# Altium PCB DM1095_R0M0E1.PcbDoc (part 1 of 3)
Units mm, origin at the board's own origin, x right, y up, seen from the top; angles counter-clockwise.
Board outline 80 x 30 mm, 4 copper layers (Top Copper, Signal Layer 1, Layer 1, Bottom Layer), stack 1.602 mm thick; 162 components, 129 nets, 587 pads, 621 vias.
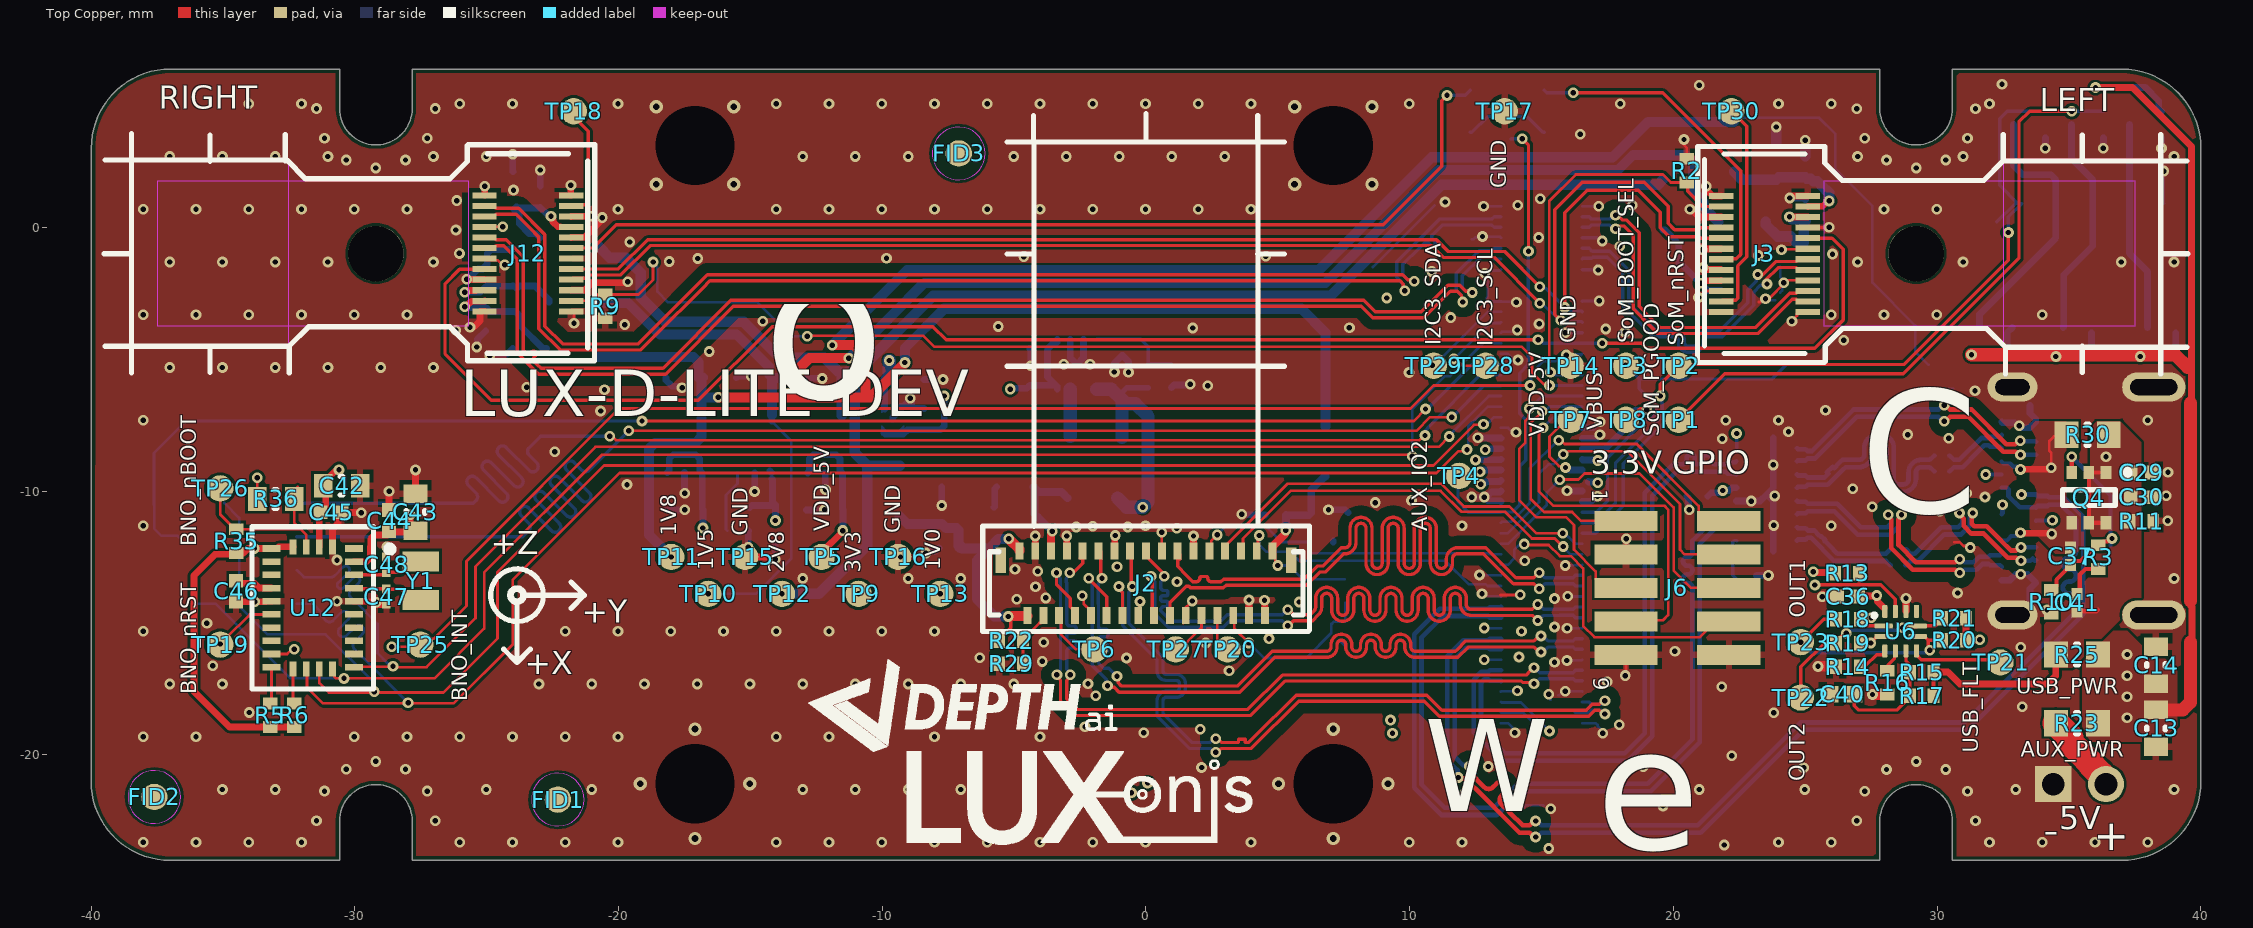
[diagram p0: Top Copper view]
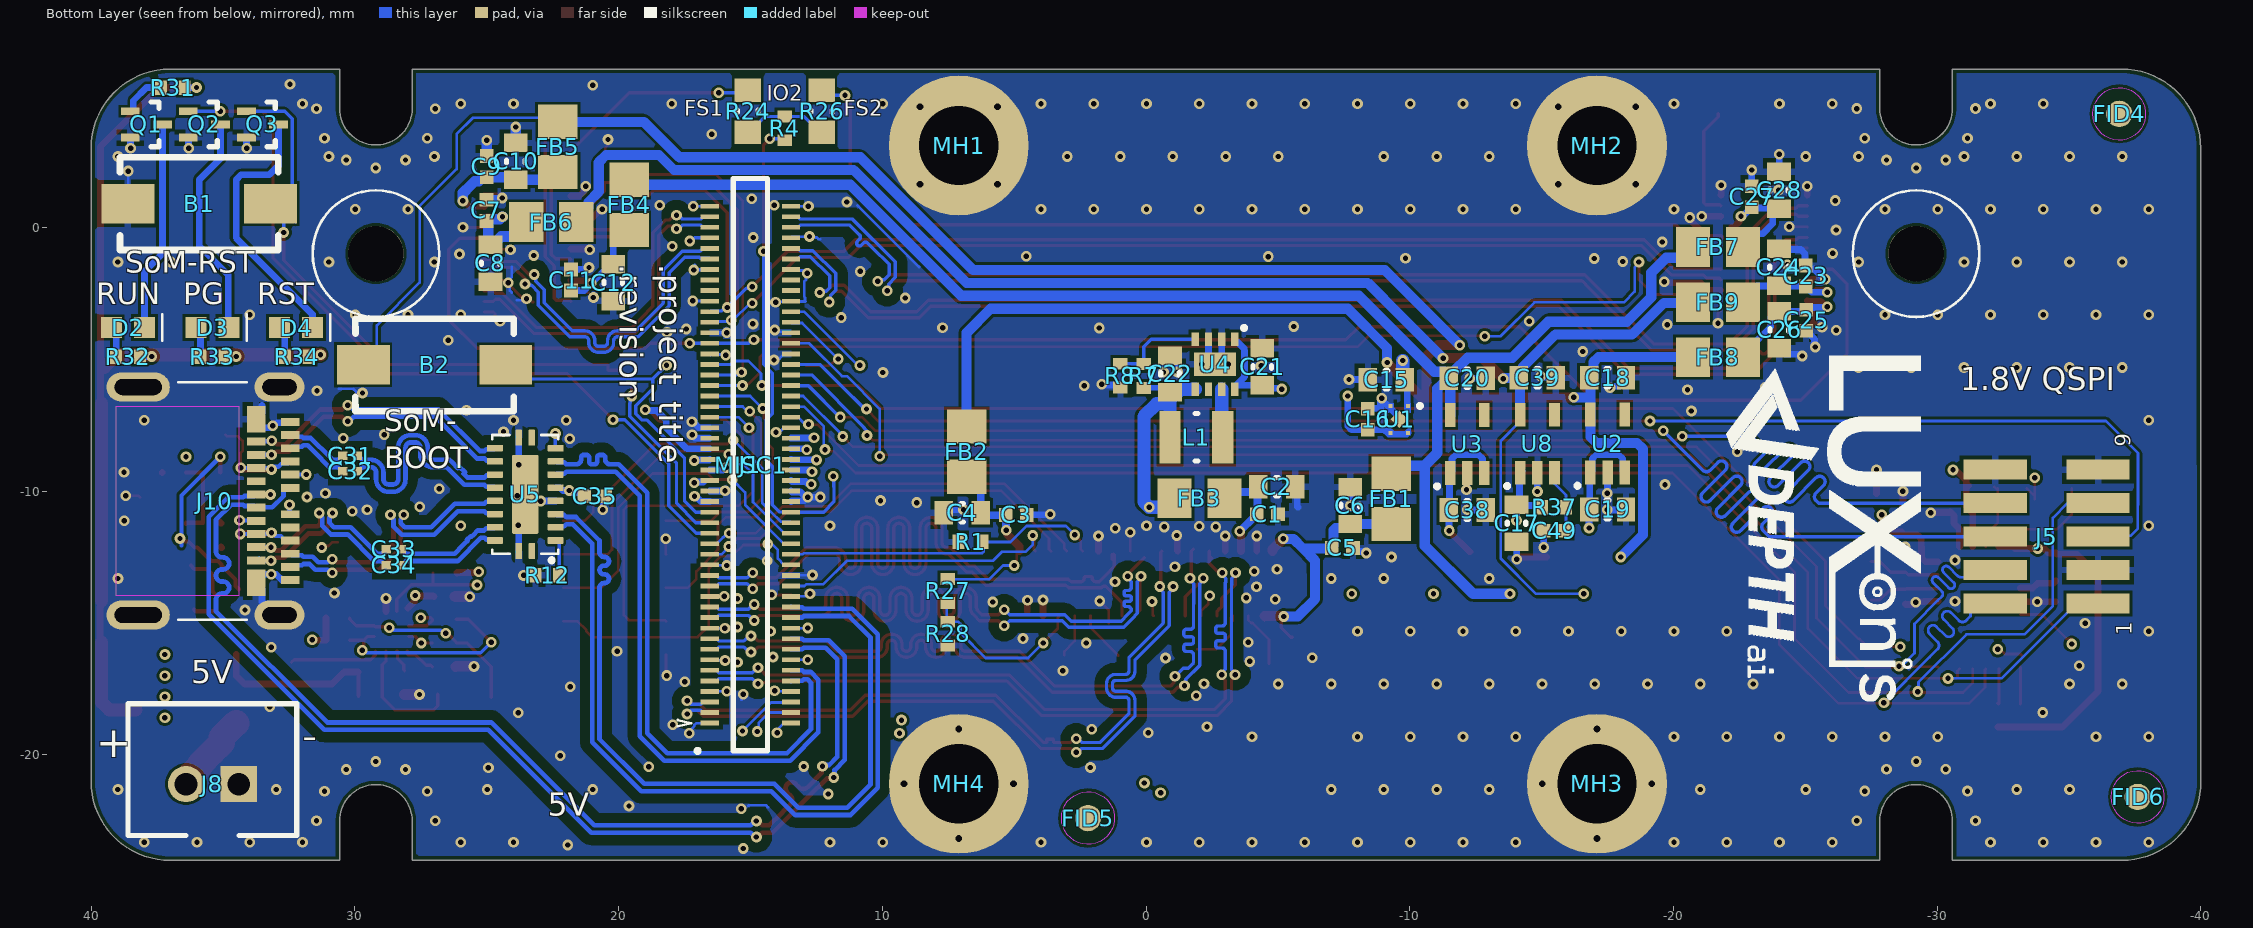
[diagram p1: Bottom Layer view, seen from below]
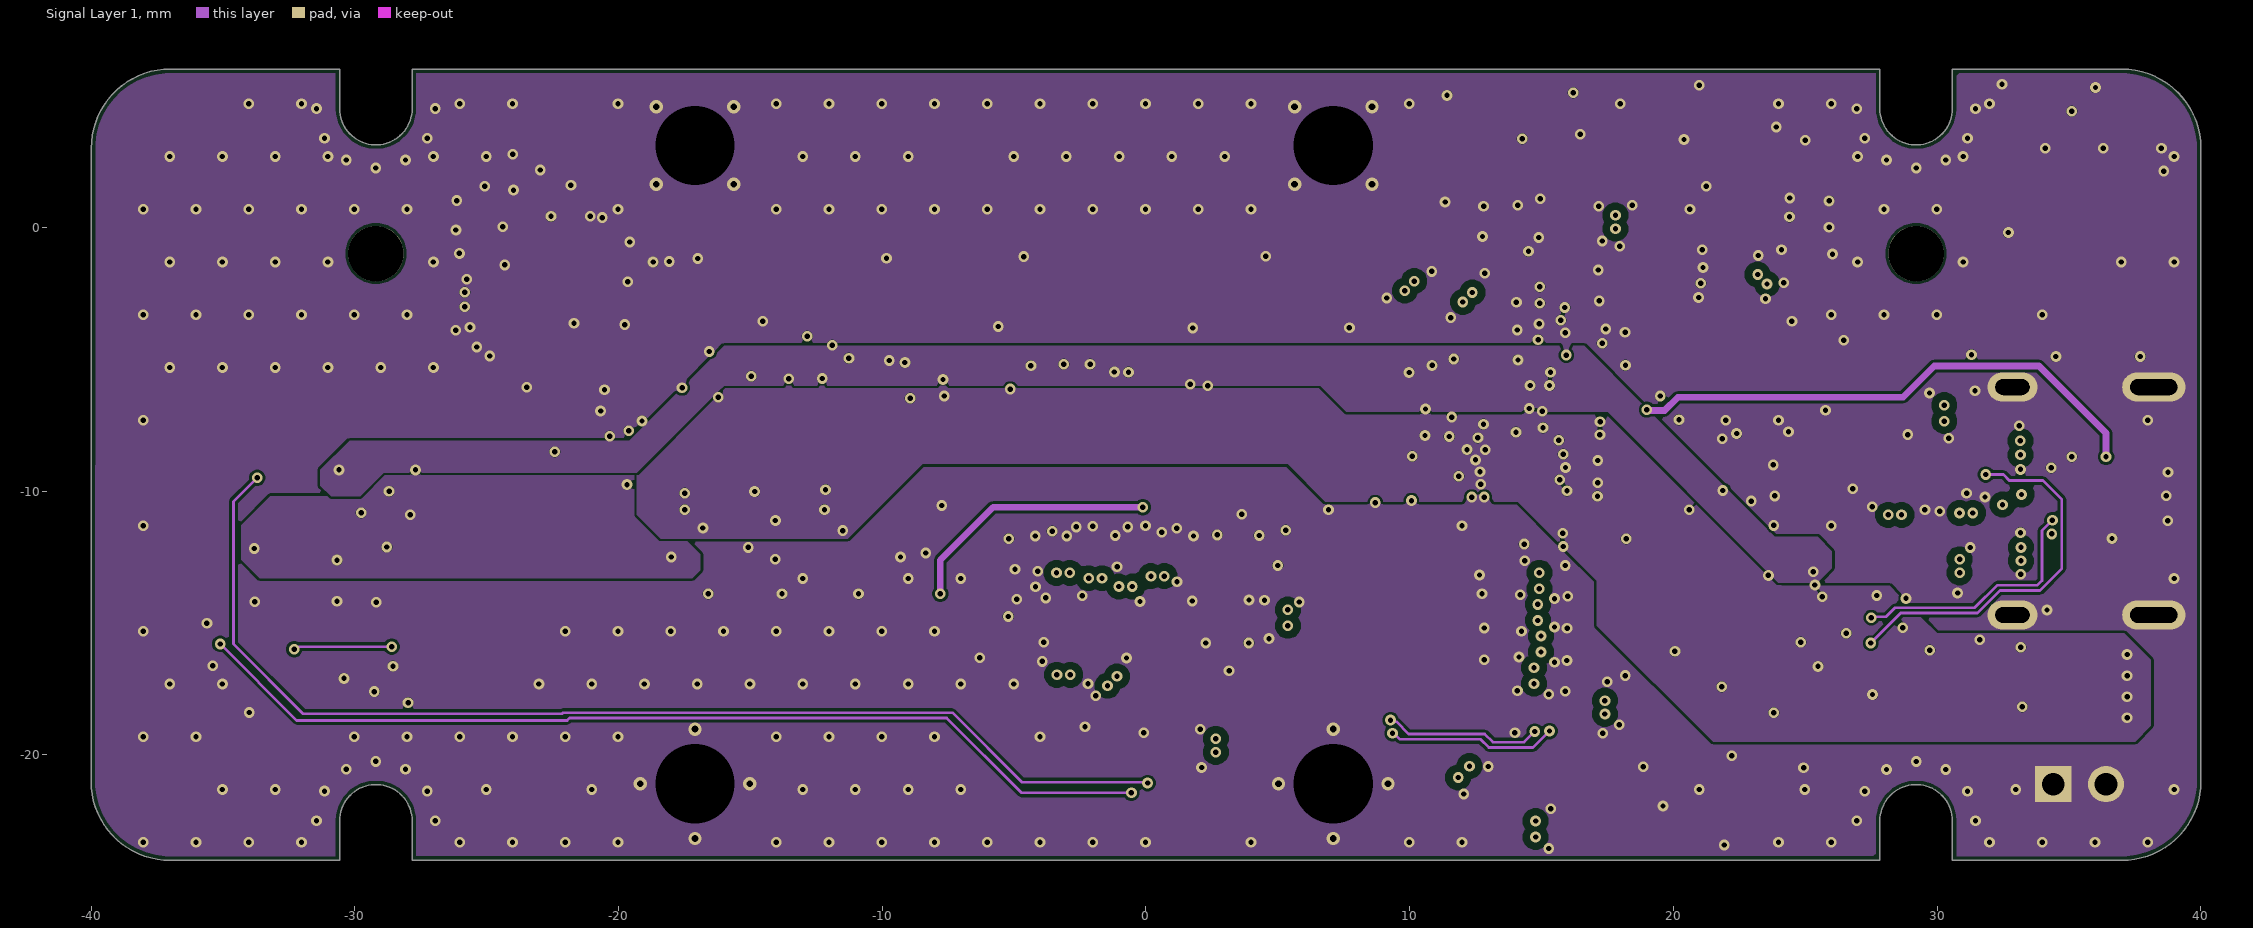
[diagram p2: Signal Layer 1]
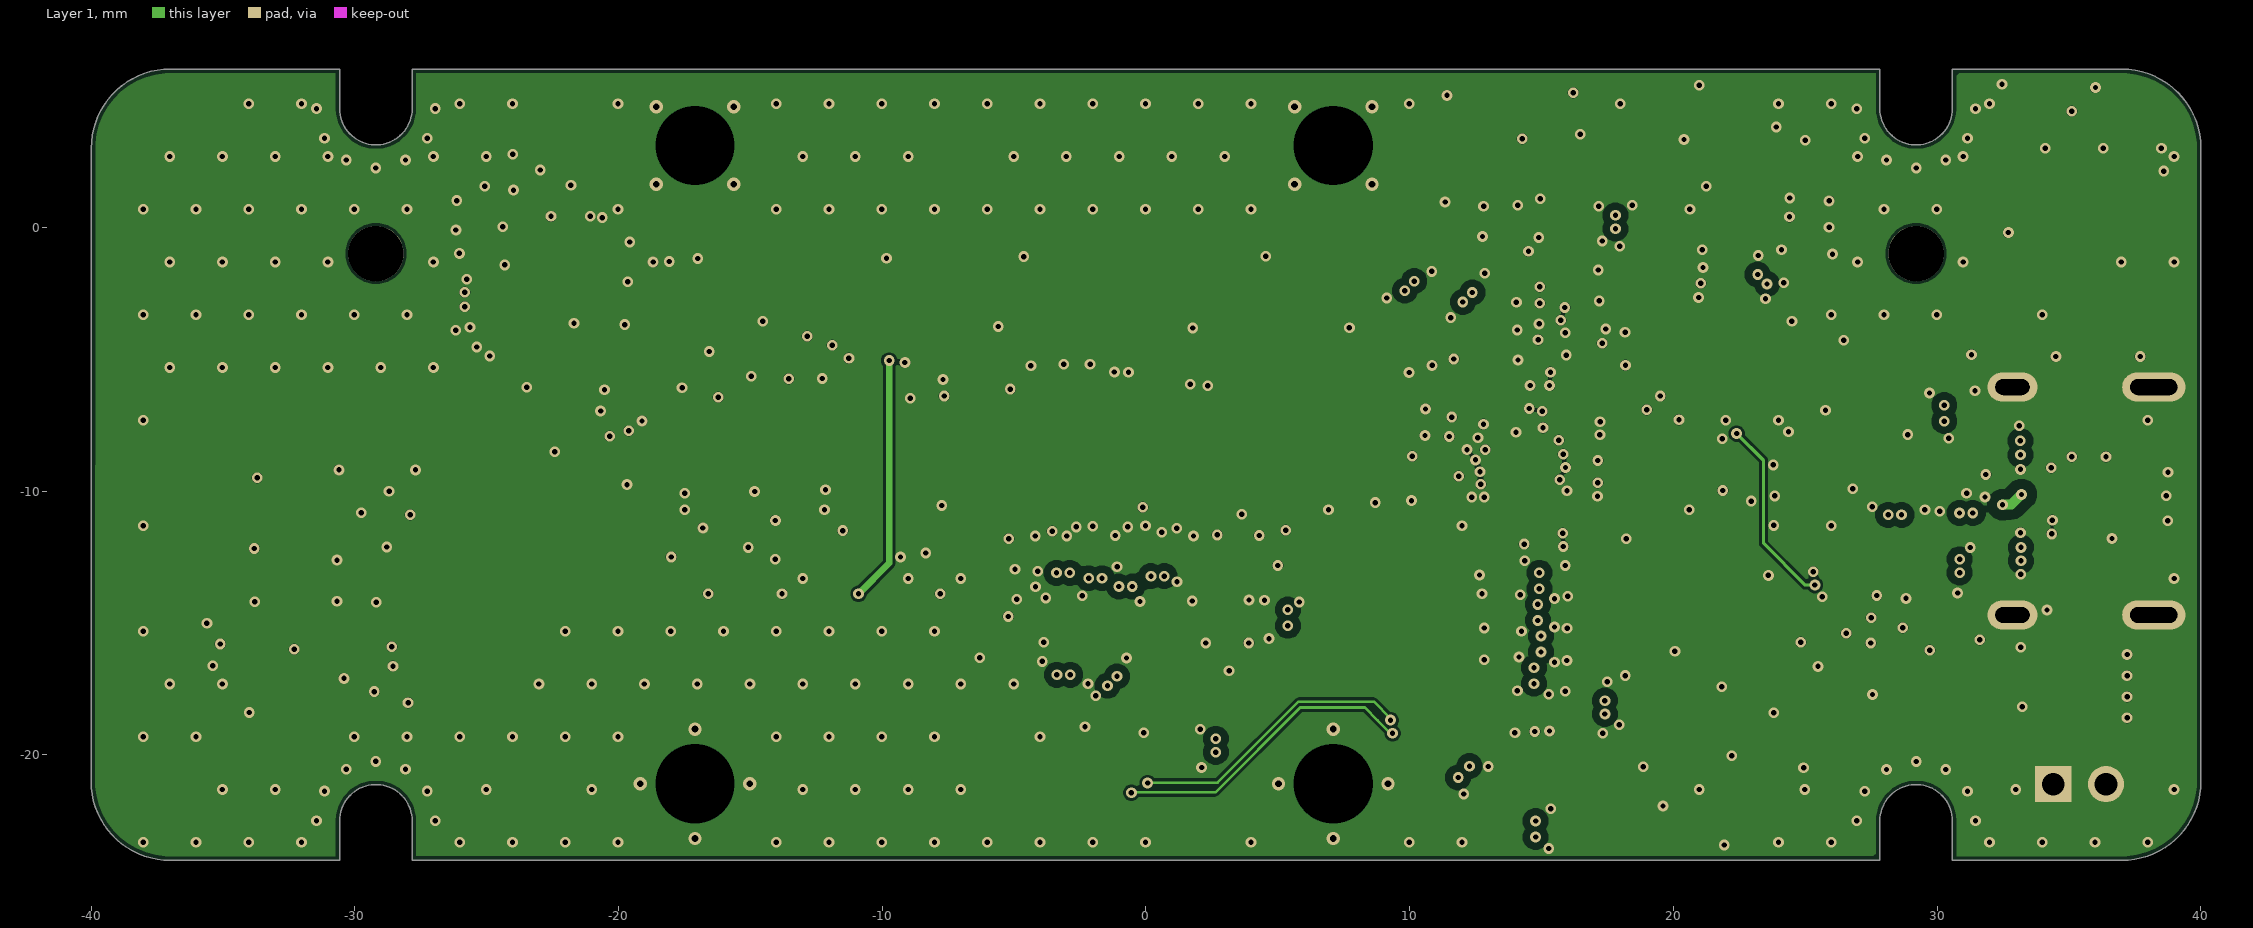
[diagram p3: Layer 1]

## Layer stack, top to bottom
Top Mask: solder mask 0.018, Solder Resist, Dk 4.2
Top Copper: signal copper 0.0356
Dielectric 1: prepreg 0.18, PP-021, Dk 4.2
Signal Layer 1: signal copper 0.0356
Core: core 1.1, Core-042, Dk 4.2
Layer 1: signal copper 0.0356
Dielectric 2: prepreg 0.18, PP-021, Dk 4.2
Bottom Layer: signal copper 0.0356
Bottom Solder: solder mask 0.018, Solder Resist, Dk 4.2

## Board outline
-30.575,-24.002 -30.575,-22.502 cw(c-29.2,-22.502) -27.825,-22.502 -27.825,-23.999 27.825,-24 27.825,-22.505 cw(c29.2,-22.505) 30.575,-22.505 30.575,-24.005 37,-24.005 ccw(c37.001,-21.005) 40,-21.006 40,3 ccw(c36.996,2.995) 36.991,5.999 30.575,6 30.575,4.499 cw(c29.2,4.499) 27.825,4.499 27.825,6 -27.825,6 -27.825,4.5 cw(c-29.2,4.5) -30.575,4.5 -30.575,6 -36.991,6 ccw(c-36.992,3.001) -39.991,3.001 -40,-21.003 ccw(c-37,-21.003) -37,-24.003

## Design rules (kind name [scope] priority, off if disabled: settings)
AssemblyTestPointUsage [All] p1: valid=2
AssemblyTestpoint [(IsPad And (OnTopLayer Or OnBottomLayer)) Or (IsVia) Or (IsPad And OnMultiLayer)] p1: testpointundercomponent=FALSE minsize=0.381 maxsize=2.54 preferedsize=1.524 minholesize=0 maxholesize=2.54 preferedholesize=0.813 testpointgrid=0.025 usegrid=FALSE gridtolerance=0 allowsidebottom=TRUE
BoardOutlineClearance [not InPolygonClass('ToEdge')] p1: gap=0.15 ignorepadtopadclearanceinfootprint=FALSE
Clearance DIFF_PAIR_GND [InPolygon vs InAnyDifferentialPair] p1: gap=0.381 ignorepadtopadclearanceinfootprint=FALSE
Clearance [All] p2: gap=0.1 ignorepadtopadclearanceinfootprint=TRUE
ComponentClearance [HasFootprint('FIDUCIAL_ROUND_1MM') or HasFootprint('TP100_200_NS') vs HasFootprint('FIDUCIAL_ROUND_1MM') or HasFootprint('TP100_200_NS')] p1: gap=-0.003 collisioncheckmode=3 verticalgap=2540 showdistances=FALSE
DiffPairsRouting 90ohm [InDifferentialPairClass('USB3')] p1: maxlimit=0.254 minlimit=0.102 mostfreqgap=0.254 toplayer_maxgap=0.102 toplayer_prefgap=0.102 toplayer_minwidth=0.178 toplayer_maxwidth=0.178 toplayer_prefwidth=0.178 bottomlayer_maxgap=0.102 bottomlayer_prefgap=0.102 bottomlayer_minwidth=0.178 bottomlayer_maxwidth=0.178 bottomlayer_prefwidth=0.178 impedanceprofiledriven=TRUE impedanceprofileid={88523433-C968-46F5-BAB2-5A945F0074AC} impedanceprofilevalue=90.000000 maxuncoupledlength=12.7
DiffPairsRouting 100ohm [InDifferentialPairClass('100ohm')] p2: maxlimit=0.254 minlimit=0.102 mostfreqgap=0.254 toplayer_maxgap=0.102 toplayer_prefgap=0.102 toplayer_minwidth=0.127 toplayer_maxwidth=0.127 toplayer_prefwidth=0.127 bottomlayer_maxgap=0.102 bottomlayer_prefgap=0.102 bottomlayer_minwidth=0.127 bottomlayer_maxwidth=0.127 bottomlayer_prefwidth=0.127 impedanceprofiledriven=TRUE impedanceprofileid={23EE4AC3-2669-4576-8364-9EC6BF9A4921} impedanceprofilevalue=100.000000 maxuncoupledlength=12.7
FabricationTestPointUsage [All] p1: valid=2 allowmultiple=TRUE
FabricationTestpoint [(IsPad And (OnTopLayer Or OnBottomLayer)) Or (IsVia) Or (IsPad And OnMultiLayer)] p1: side=3 testpointundercomponent=TRUE minsize=0.508 maxsize=2.54 preferedsize=1.524 minholesize=0 maxholesize=1.016 preferedholesize=0.813 testpointgrid=0.025 allowsidetop=TRUE allowsidebottom=TRUE usegrid=FALSE gridtolerance=0
HoleSize [All] p1: absolutevalues=TRUE maxlimit=25.4 minlimit=0.203 maxpercent=80.000 minpercent=20.000
HoleToHoleClearance [All] p1: gap=0.254 allowstackedmicrovias=FALSE
MatchedLengths QSPI_HDR [InxSignalClass('QSPI_Header')] p1: tolerance=25.4 checknetsindiffpair=FALSE checkdiffpairvsdiffpair=TRUE checkxsignals=TRUE checkothers=TRUE usedelayunits=TRUE delaytolerance=50.000000
MatchedLengths QSPI_IMU [InxSignalClass('IMU_SPI')] p2: tolerance=25.4 checknetsindiffpair=FALSE checkdiffpairvsdiffpair=TRUE checkxsignals=TRUE checkothers=TRUE usedelayunits=TRUE delaytolerance=50.000000
MatchedLengths USB_RX [InxSignalClass('USB_RX_XSIG')] p3: tolerance=25.4 checknetsindiffpair=FALSE checkdiffpairvsdiffpair=TRUE checkxsignals=TRUE checkothers=TRUE usedelayunits=TRUE delaytolerance=1.000000
MatchedLengths USB_TX [InxSignalClass('USB_TX_XSIG')] p4: tolerance=25.4 checknetsindiffpair=FALSE checkdiffpairvsdiffpair=TRUE checkxsignals=TRUE checkothers=TRUE usedelayunits=TRUE delaytolerance=1.000000
MatchedLengths SDIO [InNetClass('SDIO')] p5: tolerance=2.54 checknetsindiffpair=FALSE checkdiffpairvsdiffpair=TRUE checkxsignals=TRUE checkothers=TRUE usedelayunits=TRUE delaytolerance=50.000000
MatchedLengths Diff_pairs_intra_matching [InDifferentialPairClass('All Differential Pairs')] p6: tolerance=0.127 checknetsindiffpair=TRUE checkdiffpairvsdiffpair=FALSE checkxsignals=FALSE checkothers=FALSE usedelayunits=TRUE delaytolerance=1.000000
MatchedLengths CAM_C [InNetClass('MIPI_CAM_C')] p7: tolerance=0.127 checknetsindiffpair=FALSE checkdiffpairvsdiffpair=TRUE checkxsignals=TRUE checkothers=TRUE usedelayunits=TRUE delaytolerance=1.000000
MatchedLengths CAM_B [InNetClass('MIPI_CAM_B')] p8: tolerance=0.127 checknetsindiffpair=FALSE checkdiffpairvsdiffpair=TRUE checkxsignals=TRUE checkothers=TRUE usedelayunits=TRUE delaytolerance=1.000000
MatchedLengths CAM_A [InNetClass('MIPI_CAM_A')] p9: tolerance=0.025 checknetsindiffpair=FALSE checkdiffpairvsdiffpair=TRUE checkxsignals=TRUE checkothers=TRUE usedelayunits=TRUE delaytolerance=1.000000
MinimumSolderMaskSliver [not (HasFootprint('DF40HC-3.0-100DS-0.4V_minpad') or HasFootprint('TPD4E02B04DQAR') or HasFootprint('105450-0101'))] p1: minsoldermaskwidth=0.076
PolygonConnect PolygonConnect_outGDN [OnLayer('Bottom Layer') or OnLayer('Top Copper') vs InNet('GND')] p1: thpad.connectstyle=Direct thpad.reliefconductorwidth=0.254 thpad.reliefentries=4 thpad.polygonreliefangle="90 Angle" thpad.airgapwidth=0.254 smdpad.connectstyle=Relief smdpad.reliefconductorwidth=0.254 smdpad.reliefentries=4 smdpad.polygonreliefangle="90 Angle" smdpad.airgapwidth=0.154 via.connectstyle=Direct via.reliefconductorwidth=0.254 via.reliefentries=4 via.polygonreliefangle="90 Angle" via.airgapwidth=0.254
PolygonConnect [All] p2: connectstyle=Direct reliefconductorwidth=0.254 reliefentries=4 polygonreliefangle="90 Angle" airgapwidth=0.254
RoutingVias RoutingVias_Diff [InDifferentialPairClass('All Differential Pairs')] p1: holewidth=0.711 width=1.27 viastyle="Through Hole" minholewidth=0.711 minwidth=1.27 maxholewidth=0.711 maxwidth=1.27 useviatemplates=TRUE viatemplateguid#1={3A999B34-F86E-49C2-BBE1-B51CF530FDDB} viatemplatename#1=v41h20m0mx0
RoutingVias [All] p2: holewidth=0.254 width=0.508 viastyle="Through Hole" minholewidth=0.203 minwidth=0.406 maxholewidth=25.4 maxwidth=25.4
SilkToSilkClearance [All] p1: silktosilkclearance=0.025
SilkToSolderMaskClearance [InPadClass('All Pads')] p1: minsilkscreentomaskgap=0 clearancetoexposedcopper=FALSE
SolderMaskExpansion [All] p1: expansion=0.102 istentingtop=FALSE
UnRoutedNet [All] p1: checkbadconnections=TRUE
Width [All] p1: maxlimit=1 minlimit=0.102 preferedwidth=0.254
18 further rules are at their usual default settings.

## Classes and differential pairs
component class U_DM1098LUXD-LITE_USB: C29 C30 C31 C32 C33 C34 C35 C36 C37 C40 C41 J10 Q4 R3 R10 R11 R12 R13 R14 R15 R16 R17 R18 R19 R20 R21 R30 TP21 TP22 TP23 U5 U6
component class U_DM1098LUXD-LITE_RIGHT_OV7251: C23 C24 C25 C26 C27 C28 FB7 FB8 FB9 J12 R9 TP18
component class U_DM1098LUXD-LITE_Power_Supply: C13 C14 C15 C16 C17 C18 C19 C20 C21 C22 C38 C39 C49 J8 L1 R7 R8 R23 R25 R37 TP7 TP8 TP9 TP10 TP11 TP12 TP13 TP14 TP15 TP16 TP17 U1 U2 U3 U4 U8
component class U_DM1098LUXD-LITE_LEFT_OV7251: C7 C8 C9 C10 C11 C12 FB4 FB5 FB6 J3 R2 R4 R24 R26 TP30
component class U_DM1098LUXD-LITE_IMX214: C1 C2 C3 C4 C5 C6 FB1 FB2 FB3 J2 R1 R22 R27 R28 R29 TP6 TP20 TP27
component class U_DM1098LUXD-LITE_IMU: C42 C43 C44 C45 C46 C47 C48 R5 R6 R35 R36 TP19 TP25 TP26 U12 Y1
component class U_DM1098LUXD-LITE_Connector: B1 B2 D2 D3 D4 J1 J5 J6 MH1 MH2 MH3 MH4 MISC1 Q1 Q2 Q3 R31 R32 R33 R34 TP1 TP2 TP3 TP4 TP5 TP28 TP29
component class DM1098LUXD-LITE_TopLevel: FID1 FID2 FID3 FID4 FID5 FID6
net class SDIO: SD_HST0_CD SD_HST0_CLK SD_HST0_CMD SD_HST0_D1 SD_HST0_D2 SD_HST0_D3 SD_HST0_D4
differential pair class USB3: RXB RXC TXB TXB1 TXC TXC1 USB_D USB_RX USB_TX
differential pair class 100ohm: MIPI_RX2_C MIPI_RX2_D0 MIPI_RX2_D1 MIPI_RX3_C MIPI_RX3_D0 MIPI_RX3_D1 MIPI_RX4_C MIPI_RX4_D0 MIPI_RX4_D1 MIPI_RX5_D0 MIPI_RX5_D1
net class Power_trace: 1V0_IMX214 1V5_L 1V5_R 1V8_IMX214 1V8_L 1V8_R 2V8_IMX214 2V8_L 2V8_R VBUS VDD_5V
net class MIPI_CAM_C: MIPI_RX3_C_N MIPI_RX3_C_P MIPI_RX3_D0_N MIPI_RX3_D0_P
net class MIPI_CAM_B: MIPI_RX2_C_N MIPI_RX2_C_P MIPI_RX2_D0_N MIPI_RX2_D0_P
net class MIPI_CAM_A: MIPI_RX4_C_N MIPI_RX4_C_P MIPI_RX4_D0_N MIPI_RX4_D0_P MIPI_RX4_D1_N MIPI_RX4_D1_P MIPI_RX5_D0_N MIPI_RX5_D0_P MIPI_RX5_D1_N MIPI_RX5_D1_P
differential pair USB_TX: +USB_TX_P -USB_TX_N
differential pair USB_RX: +USB_RX_P -USB_RX_N
differential pair USB_D: +USB_D_P -USB_D_N
differential pair TXC: +TXC_P -TXC_N
differential pair TXC1: +TXC1_P -TXC1_N
differential pair TXB: +TXB_P -TXB_N
differential pair TXB1: +TXB1_P -TXB1_N
differential pair RXC: +RXC_P -RXC_N
differential pair RXB: +RXB_P -RXB_N
differential pair MIPI_RX5_D1: +MIPI_RX5_D1_P -MIPI_RX5_D1_N
differential pair MIPI_RX5_D0: +MIPI_RX5_D0_P -MIPI_RX5_D0_N
differential pair MIPI_RX4_D1: +MIPI_RX4_D1_P -MIPI_RX4_D1_N
differential pair MIPI_RX4_D0: +MIPI_RX4_D0_P -MIPI_RX4_D0_N
differential pair MIPI_RX4_C: +MIPI_RX4_C_P -MIPI_RX4_C_N
differential pair MIPI_RX3_D1: +MIPI_RX3_D1_P -MIPI_RX3_D1_N
differential pair MIPI_RX3_D0: +MIPI_RX3_D0_P -MIPI_RX3_D0_N
differential pair MIPI_RX3_C: +MIPI_RX3_C_P -MIPI_RX3_C_N
differential pair MIPI_RX2_D1: +MIPI_RX2_D1_P -MIPI_RX2_D1_N
differential pair MIPI_RX2_D0: +MIPI_RX2_D0_P -MIPI_RX2_D0_N
differential pair MIPI_RX2_C: +MIPI_RX2_C_P -MIPI_RX2_C_N

## Components (designator, comment, footprint, x,y, rotation, side; value= is the part's Value field where it differs from the comment)
B1 "Off-Mom, 50mA" DTSM-32N-V 35.9,0.9 r180 bottom
B2 "Off-Mom, 50mA" DTSM-32N-V 26.972,-5.218 r180 bottom
C1 "0.1uF 0402" CAPC0402(1005)70_L -4.603,-10.88 r0 bottom
C2 "10uF 0603" CAPC0603(1608)100_L -4.963,-9.841 r0 bottom
C3 "0.1uF 0402" CAPC0402(1005)70_L 4.917,-10.908 r0 bottom
C4 "10uF 0603" CAPC0603(1608)100_L 6.966,-10.82 r180 bottom
C5 "0.1uF 0402" CAPC0402(1005)70_L -7.448,-12.16 r0 bottom
C6 "10uF 0603" CAPC0603(1608)100_L -7.743,-10.55 r270 bottom
C7 "0.1uF 0402" CAPC0402(1005)70_L 25.008,0.64 r270 bottom
C8 "10uF 0603" CAPC0603(1608)100_L 24.855,-1.364 r90 bottom
C9 "0.1uF 0402" CAPC0402(1005)70_L 25,2.3 r270 bottom
C10 "10uF 0603" CAPC0603(1608)100_L 23.9,2.5 r270 bottom
C11 "0.1uF 0402" CAPC0402(1005)70_L 21.8,-2 r270 bottom
C12 "10uF 0603" CAPC0603(1608)100_L 20.2,-2.1 r90 bottom
C13 "22uF 0603" CAPC0603(1608)100_L 38.3,-19 r90 top
C14 "22uF 0603" CAPC0603(1608)100_L 38.3,-16.6 r270 top
C15 "10uF 0603" CAPC0603(1608)100_L -9.114,-5.783 r180 bottom
C16 "1uF 0402" CAPC0402(1005)70_L -8.405,-7.281 r270 bottom
C17 "10uF 0603" CAPC0603(1608)100_L -14.052,-11.223 r90 bottom
C18 "10uF 0603" CAPC0603(1608)100_L -17.5,-5.7 r0 bottom
C19 "10uF 0603" CAPC0603(1608)100_L -17.5,-10.7 r0 bottom
C20 "10uF 0603" CAPC0603(1608)100_L -12.179,-5.72 r0 bottom
C21 "10uF 0603" CAPC0603(1608)100_L -4.41,-5.292 r270 bottom
C22 "22uF 0603" CAPC0603(1608)100_L -0.908,-5.562 r270 bottom
C23 "0.1uF 0402" CAPC0402(1005)70_L -25.019,-1.846 r270 bottom
C24 "10uF 0603" CAPC0603(1608)100_L -23.998,-1.516 r270 bottom
C25 "0.1uF 0402" CAPC0402(1005)70_L -25.029,-3.523 r90 bottom
C26 "10uF 0603" CAPC0603(1608)100_L -24.011,-3.89 r90 bottom
C27 "0.1uF 0402" CAPC0402(1005)70_L -22.966,1.156 r270 bottom
C28 "10uF 0603" CAPC0603(1608)100_L -24.002,1.405 r270 bottom
C29 "10uF 0402" CAPC0402(1005)70_L 37.74,-9.3 r180 top
C30 "10uF 0402" CAPC0402(1005)70_L 37.74,-10.24 r180 top
C31 "0.1uF 0201" CAPC0201(0603)33_L 30.178,-8.657 r180 bottom
C32 "0.1uF 0201" CAPC0201(0603)33_L 30.178,-9.253 r180 bottom
C33 "0.1uF 0201" CAPC0201(0603)33_L 28.519,-12.212 r180 bottom
C34 "0.1uF 0201" CAPC0201(0603)33_L 28.519,-12.817 r180 bottom
C35 "10uF 0402" CAPC0402(1005)70_L 20.9,-10.2 r0 bottom
C36 "10uF 0402" CAPC0402(1005)70_L 26.6,-14 r0 top
C37 "1uF 0201" CAPC0201(0603)33_N 35.05,-12.48 r90 top
C38 "10uF 0603" CAPC0603(1608)100_L -12.179,-10.72 r0 bottom
C39 "10uF 0603" CAPC0603(1608)100_L -14.839,-5.71 r0 bottom
C40 "1uF 0402" CAPC0402(1005)70_N 26.4,-17.7 r0 top
C41 "0.1uF 0201" CAPC0201(0603)33_N 35.3,-14.23 r270 top
C42 "10uF 0603" CAPC0603(1608)100_L -30.5,-9.8 r180 top
C43 "10uF 0603" CAPC0603(1608)100_L -27.7,-10.8 r270 top
C44 "0.1uF 0402" CAPC0402(1005)70_L -28.7,-11.12 r270 top
C45 "0.1uF 0402" CAPC0402(1005)70_L -30.9,-10.8 r180 top
C46 "0.1uF 0402" CAPC0402(1005)70_L -34.5,-13.8 r270 top
C47 "18pF 0201" CAPC0201(0603)33_L -28.8,-14 r90 top
C48 "18pF 0201" CAPC0201(0603)33_L -28.8,-12.8 r270 top
C49 "0.1uF 0402" CAPC0402(1005)70_L -15.474,-11.505 r180 bottom
D2 "RED 0603" SML_D1xx8W 38.6,-3.8 r0 bottom
D3 "ORANGE 0603" SML_D1xx8W 35.4,-3.8 r0 bottom
D4 "ORANGE 0603" SML_D1xx8W 32.225,-3.8 r0 bottom
FB1 "600R/100MHz" 2508056017Y2 -9.3,-10.3 r270 bottom
FB2 "600R/100MHz" 2508056017Y2 6.8,-8.506 r270 bottom
FB3 "600R/100MHz" 2508056017Y2 -2.028,-10.27 r180 bottom
FB4 "600R/100MHz" 2508056017Y2 19.6,0.85 r270 bottom
FB5 "600R/100MHz" 2508056017Y2 22.3,3.05 r270 bottom
FB6 "600R/100MHz" 2508056017Y2 22.55,0.2 r0 bottom
FB7 "600R/100MHz" 2508056017Y2 -21.688,-0.747 r180 bottom
FB8 "600R/100MHz" 2508056017Y2 -21.688,-4.921 r180 bottom
FB9 "600R/100MHz" 2508056017Y2 -21.688,-2.847 r180 bottom
FID1 "FIDUCIAL_ROUND_1MM" FIDUCIAL_ROUND_1MM -22.3,-21.7 r0 top
FID2 "FIDUCIAL_ROUND_1MM" FIDUCIAL_ROUND_1MM -37.6,-21.6 r0 top
FID3 "FIDUCIAL_ROUND_1MM" FIDUCIAL_ROUND_1MM -7.1,2.8 r0 top
FID4 "FIDUCIAL_ROUND_1MM" FIDUCIAL_ROUND_1MM -36.9,4.3 r180 bottom
FID5 "FIDUCIAL_ROUND_1MM" FIDUCIAL_ROUND_1MM 2.2,-22.4 r180 bottom
FID6 "FIDUCIAL_ROUND_1MM" FIDUCIAL_ROUND_1MM -37.6,-21.6 r180 bottom
J1 "DF40HC(3.0)-100DS-0.4V_BW1099G2 Receptacle" DF40HC-3.0-100DS-0.4V_minpad 15,-9 r0 bottom locked
J2 "FH26W-33S-0.3SHW(60)" ACIMX-214 0,-1 r0 top
J3 "BBR43-24KB533 for camera module GP04E-0JG" "GP04E-0JG OV7251" 35.5,-1 r270 top locked